# KiCad board test_ledout.kicad_pcb (continued)
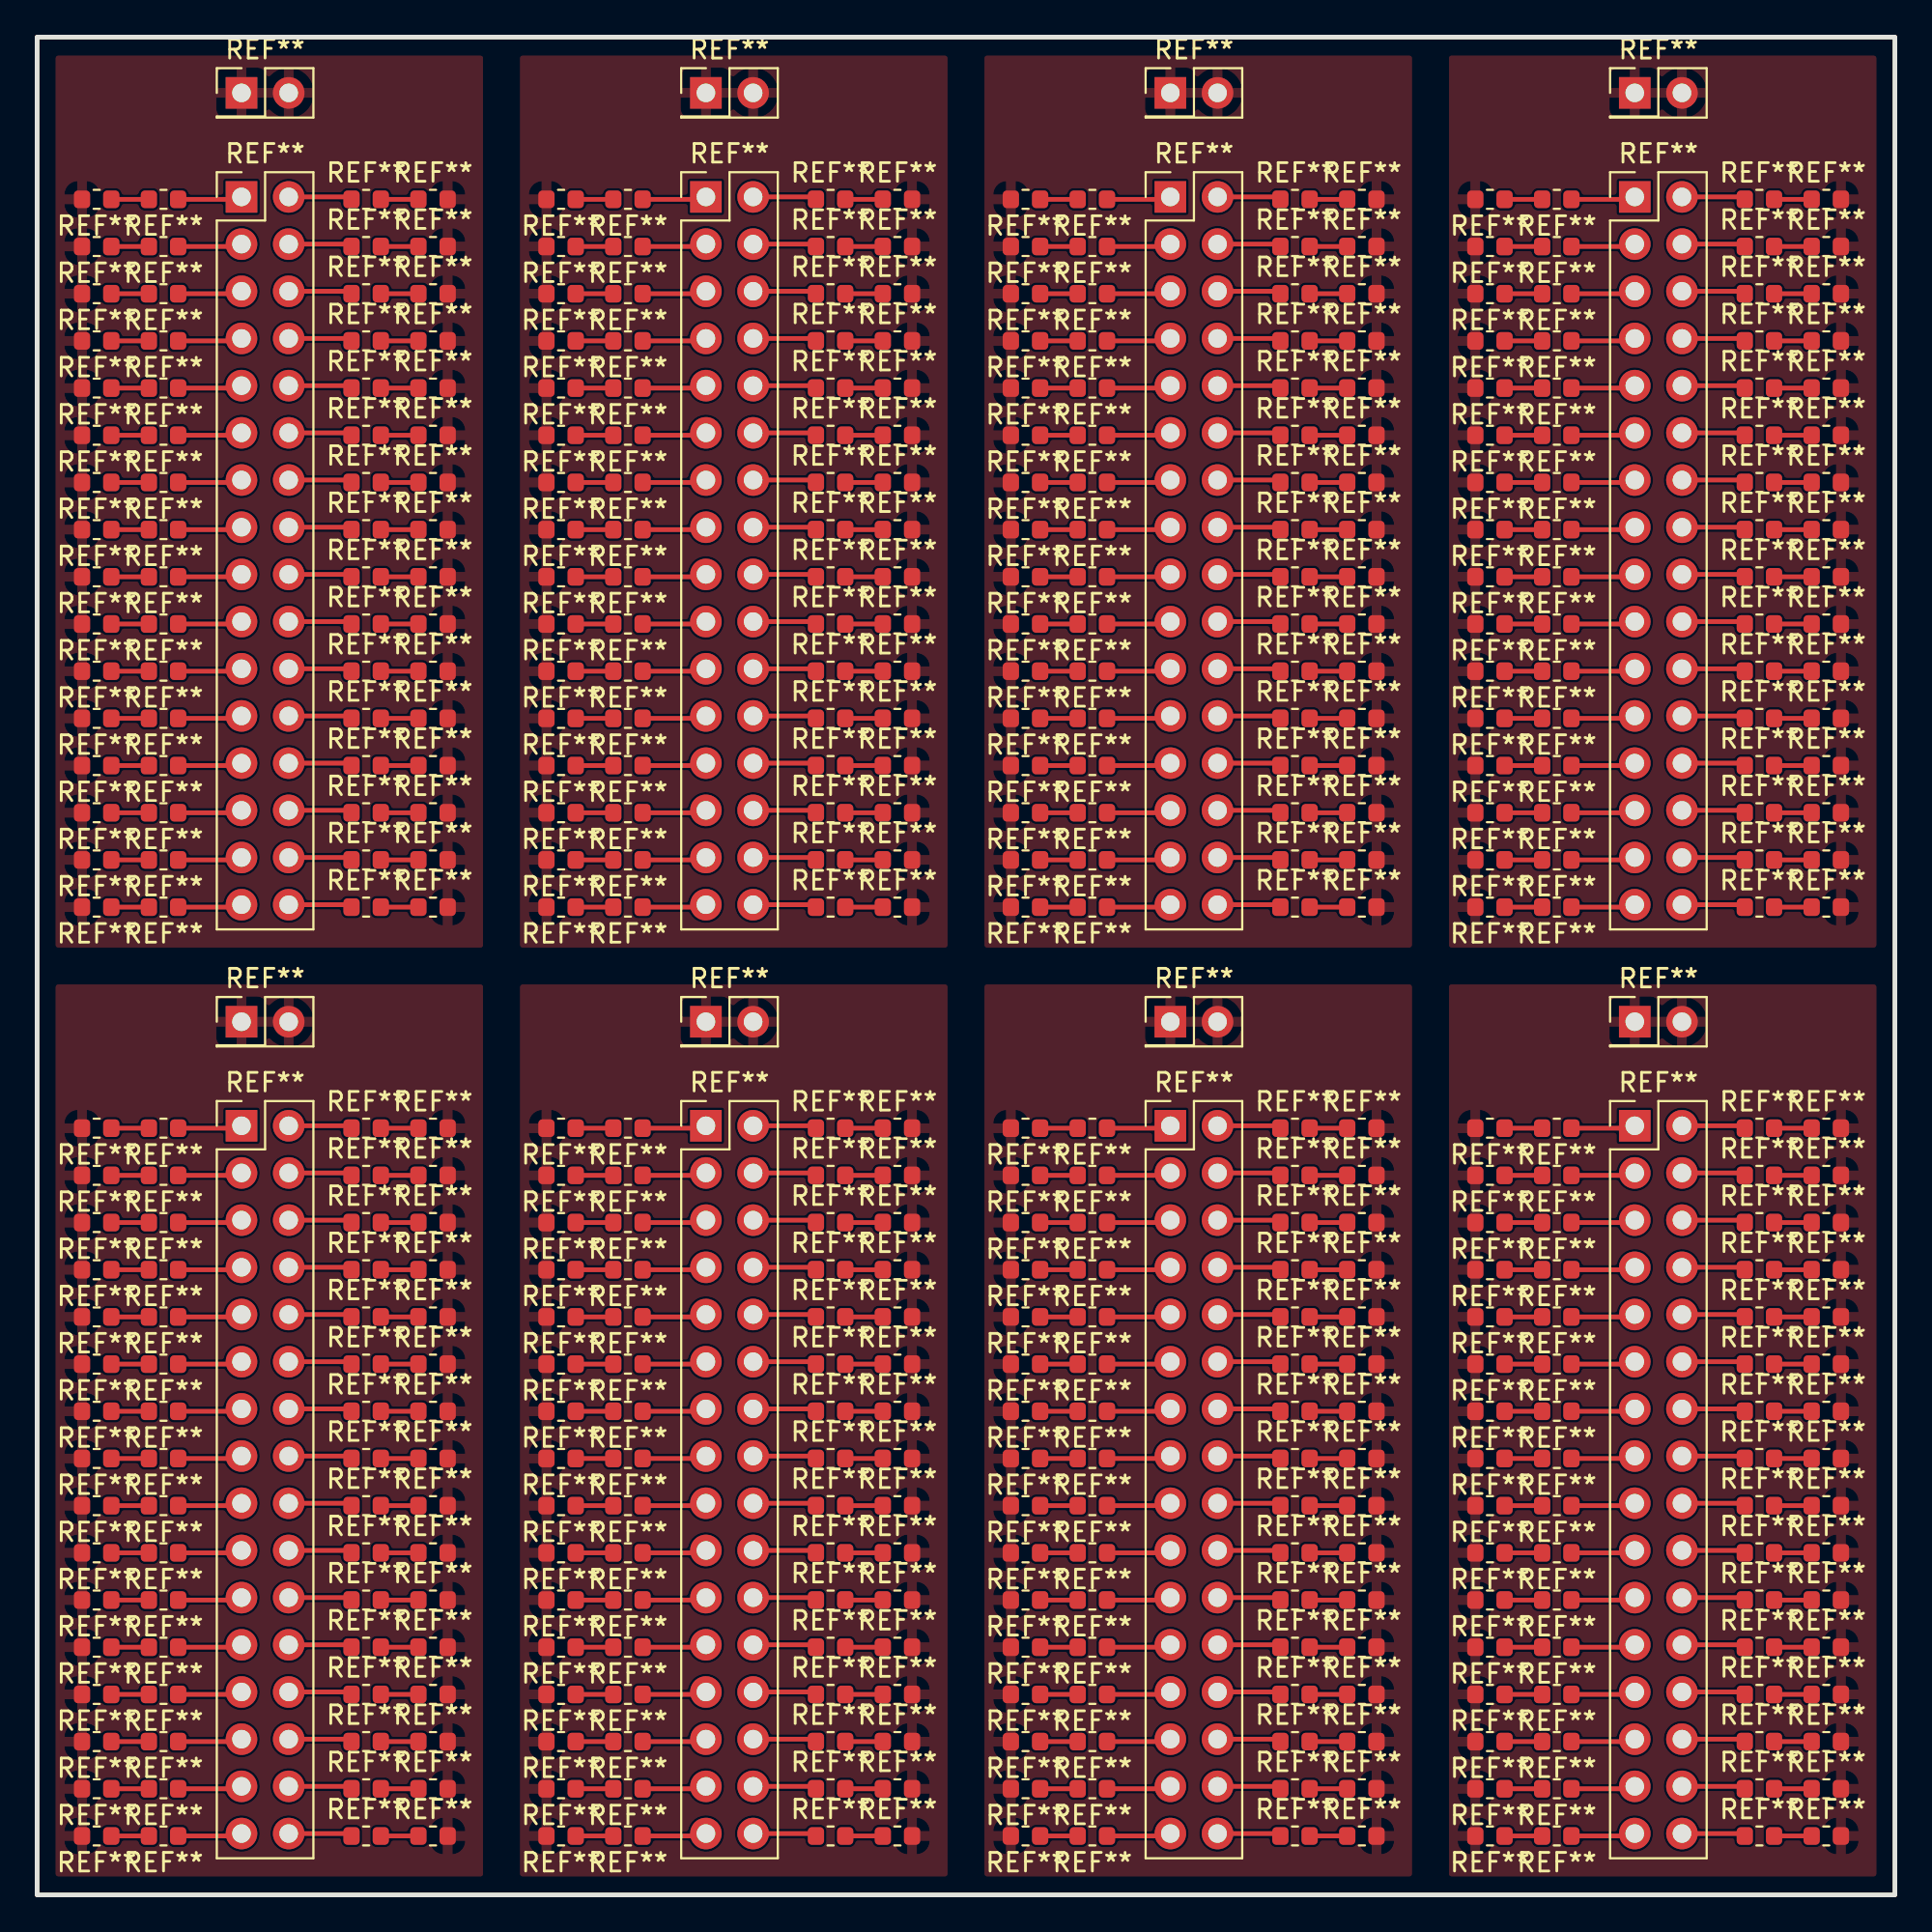
[diagram p0: board, top side]
## Placement (name value [footprint] x y rotation side) (continued)
REF**#391  -  [R_0603_1608Metric]  53.2 10.79 180 top
REF**#392  -  [R_0603_1608Metric]  81.8 20.95 180 top
REF**#393  -  [R_0603_1608Metric]  46.31 41.27 0 top
REF**#394  -  [R_0603_1608Metric]  56.8 31.11 180 top
REF**#395  -  [R_0603_1608Metric]  92.71 63.33 0 top
REF**#396  -  [R_0603_1608Metric]  56.8 28.57 180 top
REF**#397  -  [R_0603_1608Metric]  17.71 5.71 0 top
REF**#398  -  [R_0603_1608Metric]  78.2 5.71 180 top
REF**#399  -  [R_0603_1608Metric]  31.8 55.71 180 top
REF**#400  -  [R_0603_1608Metric]  17.71 73.49 0 top
REF**#401  -  [R_0603_1608Metric]  3.2 55.71 180 top
REF**#402  -  [R_0603_1608Metric]  81.8 36.19 180 top
REF**#403  -  [R_0603_1608Metric]  6.8 10.79 180 top
REF**#404  -  [R_0603_1608Metric]  81.8 26.03 180 top
REF**#405  -  [R_0603_1608Metric]  42.71 81.11 0 top
REF**#406  -  [R_0603_1608Metric]  81.8 76.03 180 top
REF**#407  -  [R_0603_1608Metric]  6.8 83.65 180 top
REF**#408  -  [R_0603_1608Metric]  67.71 63.33 0 top
REF**#409  -  [R_0603_1608Metric]  78.2 60.79 180 top
REF**#410  -  [PinHeader_2x01_P2.54mm_Vertical]  86 97 0 top
REF**#411  -  [R_0603_1608Metric]  46.31 31.11 0 top
REF**#412  -  [R_0603_1608Metric]  6.8 60.79 180 top
REF**#413  -  [R_0603_1608Metric]  71.31 60.79 0 top
REF**#414  -  [R_0603_1608Metric]  71.31 5.71 0 top
REF**#415  -  [R_0603_1608Metric]  28.2 81.11 180 top
REF**#416  -  [R_0603_1608Metric]  42.71 8.25 0 top
REF**#417  -  [R_0603_1608Metric]  21.31 31.11 0 top
REF**#418  -  [R_0603_1608Metric]  92.71 26.03 0 top
REF**#419  -  [PinHeader_2x01_P2.54mm_Vertical]  11 97 0 top
REF**#420  -  [R_0603_1608Metric]  92.71 38.73 0 top
REF**#421  -  [R_0603_1608Metric]  92.71 15.87 0 top
REF**#422  -  [R_0603_1608Metric]  71.31 76.03 0 top
REF**#423  -  [R_0603_1608Metric]  71.31 10.79 0 top
REF**#424  -  [R_0603_1608Metric]  92.71 78.57 0 top
REF**#425  -  [R_0603_1608Metric]  78.2 91.27 180 top
REF**#426  -  [R_0603_1608Metric]  6.8 5.71 180 top
REF**#427  -  [R_0603_1608Metric]  21.31 88.73 0 top
REF**#428  -  [R_0603_1608Metric]  67.71 73.49 0 top
REF**#429  -  [R_0603_1608Metric]  92.71 55.71 0 top
REF**#430  -  [PinHeader_2x01_P2.54mm_Vertical]  61 47 0 top
REF**#431  -  [R_0603_1608Metric]  21.31 76.03 0 top
REF**#432  -  [R_0603_1608Metric]  67.71 3.17 0 top
REF**#433  -  [R_0603_1608Metric]  28.2 3.17 180 top
REF**#434  -  [R_0603_1608Metric]  92.71 28.57 0 top
REF**#435  -  [R_0603_1608Metric]  81.8 23.49 180 top
REF**#436  -  [R_0603_1608Metric]  3.2 83.65 180 top
REF**#437  -  [R_0603_1608Metric]  53.2 3.17 180 top
REF**#438  -  [PinHeader_2x01_P2.54mm_Vertical]  61 97 0 top
REF**#439  -  [R_0603_1608Metric]  17.71 18.41 0 top
REF**#440  -  [R_0603_1608Metric]  46.31 26.03 0 top
REF**#441  -  [R_0603_1608Metric]  21.31 53.17 0 top
REF**#442  -  [R_0603_1608Metric]  28.2 31.11 180 top
REF**#443  -  [R_0603_1608Metric]  21.31 38.73 0 top
REF**#444  -  [R_0603_1608Metric]  28.2 60.79 180 top
REF**#445  -  [R_0603_1608Metric]  3.2 63.33 180 top
REF**#446  -  [R_0603_1608Metric]  21.31 26.03 0 top
REF**#447  -  [R_0603_1608Metric]  71.31 28.57 0 top
REF**#448  -  [R_0603_1608Metric]  46.31 5.71 0 top
REF**#449  -  [R_0603_1608Metric]  78.2 28.57 180 top
REF**#450  -  [R_0603_1608Metric]  56.8 81.11 180 top
REF**#451  -  [R_0603_1608Metric]  81.8 55.71 180 top
REF**#452  -  [R_0603_1608Metric]  67.71 86.19 0 top
REF**#453  -  [R_0603_1608Metric]  21.31 91.27 0 top
REF**#454  -  [R_0603_1608Metric]  71.31 55.71 0 top
REF**#455  -  [R_0603_1608Metric]  42.71 31.11 0 top
REF**#456  -  [R_0603_1608Metric]  6.8 86.19 180 top
REF**#457  -  [R_0603_1608Metric]  3.2 81.11 180 top
REF**#458  -  [R_0603_1608Metric]  56.8 76.03 180 top
REF**#459  -  [R_0603_1608Metric]  96.31 78.57 0 top
REF**#460  -  [R_0603_1608Metric]  56.8 78.57 180 top
REF**#461  -  [R_0603_1608Metric]  81.8 86.19 180 top
REF**#462  -  [R_0603_1608Metric]  67.71 28.57 0 top
REF**#463  -  [R_0603_1608Metric]  28.2 68.41 180 top
REF**#464  -  [R_0603_1608Metric]  3.2 76.03 180 top
REF**#465  -  [R_0603_1608Metric]  46.31 73.49 0 top
REF**#466  -  [R_0603_1608Metric]  67.71 33.65 0 top
REF**#467  -  [R_0603_1608Metric]  96.31 31.11 0 top
REF**#468  -  [R_0603_1608Metric]  31.8 36.19 180 top
REF**#469  -  [R_0603_1608Metric]  92.71 3.17 0 top
REF**#470  -  [R_0603_1608Metric]  81.8 10.79 180 top
REF**#471  -  [R_0603_1608Metric]  31.8 68.41 180 top
REF**#472  -  [R_0603_1608Metric]  21.31 83.65 0 top
REF**#473  -  [R_0603_1608Metric]  17.71 58.25 0 top
REF**#474  -  [PinHeader_2x16_P2.54mm_Vertical]  36 41.4 0 top
REF**#475  -  [R_0603_1608Metric]  31.8 41.27 180 top
REF**#476  -  [R_0603_1608Metric]  81.8 81.11 180 top
REF**#477  -  [R_0603_1608Metric]  71.31 83.65 0 top
REF**#478  -  [R_0603_1608Metric]  56.8 83.65 180 top
REF**#479  -  [R_0603_1608Metric]  53.2 13.33 180 top
REF**#480  -  [R_0603_1608Metric]  56.8 13.33 180 top
REF**#481  -  [R_0603_1608Metric]  81.8 33.65 180 top
REF**#482  -  [R_0603_1608Metric]  17.71 78.57 0 top
REF**#483  -  [R_0603_1608Metric]  78.2 15.87 180 top
REF**#484  -  [R_0603_1608Metric]  6.8 73.49 180 top
REF**#485  -  [R_0603_1608Metric]  96.31 13.33 0 top
REF**#486  -  [R_0603_1608Metric]  6.8 78.57 180 top
REF**#487  -  [R_0603_1608Metric]  46.31 88.73 0 top
REF**#488  -  [R_0603_1608Metric]  3.2 41.27 180 top
REF**#489  -  [R_0603_1608Metric]  31.8 73.49 180 top
REF**#490  -  [R_0603_1608Metric]  67.71 31.11 0 top
REF**#491  -  [R_0603_1608Metric]  78.2 23.49 180 top
REF**#492  -  [R_0603_1608Metric]  3.2 58.25 180 top
REF**#493  -  [R_0603_1608Metric]  53.2 70.95 180 top
REF**#494  -  [R_0603_1608Metric]  3.2 5.71 180 top
REF**#495  -  [R_0603_1608Metric]  28.2 86.19 180 top
REF**#496  -  [R_0603_1608Metric]  78.2 8.25 180 top
REF**#497  -  [R_0603_1608Metric]  71.31 15.87 0 top
REF**#498  -  [R_0603_1608Metric]  67.71 8.25 0 top
REF**#499  -  [R_0603_1608Metric]  78.2 63.33 180 top
REF**#500  -  [R_0603_1608Metric]  92.71 10.79 0 top
REF**#501  -  [R_0603_1608Metric]  78.2 3.17 180 top
REF**#502  -  [R_0603_1608Metric]  3.2 3.17 180 top
REF**#503  -  [R_0603_1608Metric]  96.31 83.65 0 top
REF**#504  -  [R_0603_1608Metric]  92.71 13.33 0 top
REF**#505  -  [R_0603_1608Metric]  6.8 63.33 180 top
REF**#506  -  [PinHeader_2x01_P2.54mm_Vertical]  36 47 0 top
REF**#507  -  [R_0603_1608Metric]  56.8 23.49 180 top
REF**#508  -  [R_0603_1608Metric]  81.8 60.79 180 top
REF**#509  -  [R_0603_1608Metric]  96.31 60.79 0 top
REF**#510  -  [R_0603_1608Metric]  71.31 8.25 0 top
REF**#511  -  [R_0603_1608Metric]  96.31 36.19 0 top
REF**#512  -  [R_0603_1608Metric]  31.8 78.57 180 top
REF**#513  -  [R_0603_1608Metric]  67.71 81.11 0 top
REF**#514  -  [R_0603_1608Metric]  81.8 78.57 180 top
REF**#515  -  [R_0603_1608Metric]  46.31 10.79 0 top
REF**#516  -  [R_0603_1608Metric]  42.71 91.27 0 top
REF**#517  -  [R_0603_1608Metric]  96.31 65.87 0 top
REF**#518  -  [R_0603_1608Metric]  67.71 91.27 0 top
REF**#519  -  [R_0603_1608Metric]  31.8 53.17 180 top
REF**#520  -  [R_0603_1608Metric]  42.71 83.65 0 top
REF**#521  -  [R_0603_1608Metric]  17.71 8.25 0 top
REF**#522  -  [R_0603_1608Metric]  71.31 70.95 0 top
REF**#523  -  [R_0603_1608Metric]  96.31 73.49 0 top
REF**#524  -  [R_0603_1608Metric]  3.2 33.65 180 top
REF**#525  -  [R_0603_1608Metric]  42.71 26.03 0 top
REF**#526  -  [R_0603_1608Metric]  81.8 28.57 180 top
REF**#527  -  [R_0603_1608Metric]  31.8 5.71 180 top
REF**#528  -  [R_0603_1608Metric]  28.2 65.87 180 top

## Footprints (pads in the part's own frame, mm; a bottom-side part is the same pattern mirrored in y, then rotated)
PinHeader_2x01_P2.54mm_Vertical
  rect 1.7x1.7 hole 1: 1(0,0)
  oval 1.7x1.7 hole 1: 2(2.54,0)
PinHeader_2x16_P2.54mm_Vertical
  rect 1.7x1.7 hole 1: 1(0,0)
  oval 1.7x1.7 hole 1: 2(2.54,0) 3(0,-2.54) 4(2.54,-2.54) 5(0,-5.08) 6(2.54,-5.08) 7(0,-7.62) 8(2.54,-7.62) 9(0,-10.16) 10(2.54,-10.16) 11(0,-12.7) 12(2.54,-12.7) 13(0,-15.24) 14(2.54,-15.24) 15(0,-17.78) 16(2.54,-17.78) 17(0,-20.32) 18(2.54,-20.32) 19(0,-22.86) 20(2.54,-22.86) 21(0,-25.4) 22(2.54,-25.4) 23(0,-27.94) 24(2.54,-27.94) 25(0,-30.48) 26(2.54,-30.48) 27(0,-33.02) 28(2.54,-33.02) 29(0,-35.56) 30(2.54,-35.56) 31(0,-38.1) 32(2.54,-38.1)
R_0603_1608Metric
  rrect 0.875x0.95 smd: 1(-0.787,0) 2(0.787,0)

## Nets
gnd: REF**#4.2 REF**#5.2 REF**#8.2 REF**#10.2 REF**#13.2 REF**#15.2 REF**#16.2 REF**#17.2 REF**#20.2 REF**#21.2 REF**#22.2 REF**#25.2 REF**#27.2 REF**#29.2 REF**#30.2 REF**#31.2 REF**#33.2 REF**#35.2 REF**#36.2 REF**#38.2 REF**#39.2 REF**#40.2 REF**#44.2 REF**#46.2 REF**#48.2 REF**#49.2 REF**#51.2 REF**#52.2 REF**#53.2 REF**#55.2 REF**#56.2 REF**#57.2 REF**#58.2 REF**#60.2 REF**#63.2 REF**#65.2 REF**#67.2 REF**#70.2 REF**#74.2 REF**#76.2 REF**#77.1 REF**#77.2 REF**#79.2 REF**#80.2 REF**#84.2 REF**#85.2 REF**#88.2 REF**#89.2 REF**#91.2 REF**#93.2 REF**#94.2 REF**#95.2 REF**#101.2 REF**#102.2 REF**#103.2 REF**#105.2 REF**#106.2 REF**#109.2 REF**#113.2 REF**#115.2 REF**#119.2 REF**#120.2 REF**#122.2 REF**#124.2 REF**#126.2 REF**#128.2 REF**#129.2 REF**#132.2 REF**#137.2 REF**#138.2 REF**#139.2 REF**#141.2 REF**#143.2 REF**#144.2 REF**#145.2 REF**#147.2 REF**#149.2 REF**#150.2 REF**#151.2 REF**#152.2 REF**#156.2 REF**#158.2 REF**#160.2 REF**#162.2 REF**#164.2 REF**#165.2 REF**#168.2 REF**#174.2 REF**#175.2 REF**#176.2 REF**#178.2 REF**#180.2 REF**#182.2 REF**#187.2 REF**#188.2 REF**#192.2 REF**#194.1 REF**#194.2 REF**#195.2 REF**#196.2 REF**#197.2 REF**#199.2 REF**#203.2 REF**#205.2 REF**#209.2 REF**#211.2 REF**#212.2 REF**#219.2 REF**#223.2 REF**#225.2 REF**#226.2 REF**#227.2 REF**#232.2 REF**#234.2 REF**#235.2 REF**#239.2 REF**#242.2 REF**#245.2 REF**#249.2 REF**#250.2 REF**#251.2 REF**#252.2 REF**#256.2 REF**#260.2 REF**#261.2 REF**#262.2 REF**#263.2 REF**#264.2 REF**#265.2 REF**#266.2 REF**#268.2 REF**#269.2 REF**#270.2 REF**#272.2 REF**#273.2 REF**#274.2 REF**#275.1 REF**#275.2 REF**#276.2 REF**#280.2 REF**#281.2 REF**#282.2 REF**#283.2 REF**#284.2 REF**#287.2 REF**#288.2 REF**#292.2 REF**#294.2 REF**#295.2 REF**#296.2 REF**#297.2 REF**#298.2 REF**#300.2 REF**#305.2 REF**#308.2 REF**#309.2 REF**#312.2 REF**#313.2 REF**#315.2 REF**#316.2 REF**#317.2 REF**#322.2 REF**#325.2 REF**#329.2 REF**#330.2 REF**#332.2 REF**#335.2 REF**#336.2 REF**#338.2 REF**#340.2 REF**#342.2 REF**#344.2 REF**#346.2 REF**#347.2 REF**#348.2 REF**#352.2 REF**#353.2 REF**#355.2 REF**#358.2 REF**#359.2 REF**#362.2 REF**#363.2 REF**#364.2 REF**#365.2 REF**#367.2 REF**#368.2 REF**#370.2 REF**#372.2 REF**#373.2 REF**#374.2 REF**#375.2 REF**#376.2 REF**#378.2 REF**#379.2 REF**#380.2 REF**#383.2 REF**#384.2 REF**#385.2 REF**#389.2 REF**#391.2 REF**#393.2 REF**#398.2 REF**#401.2 REF**#409.2 REF**#410.1 REF**#410.2 REF**#411.2 REF**#413.2 REF**#414.2 REF**#415.2 REF**#417.2 REF**#419.1 REF**#419.2 REF**#422.2 REF**#423.2 REF**#425.2 REF**#427.2 REF**#430.1 REF**#430.2 REF**#431.2 REF**#433.2 REF**#436.2 REF**#437.2 REF**#438.1 REF**#438.2 REF**#440.2 REF**#441.2 REF**#442.2 REF**#443.2 REF**#444.2 REF**#445.2 REF**#446.2 REF**#447.2 REF**#448.2 REF**#449.2 REF**#453.2 REF**#454.2 REF**#457.2 REF**#459.2 REF**#463.2 REF**#464.2 REF**#465.2 REF**#467.2 REF**#472.2 REF**#477.2 REF**#479.2 REF**#483.2 REF**#485.2 REF**#487.2 REF**#488.2 REF**#491.2 REF**#492.2 REF**#493.2 REF**#494.2 REF**#495.2 REF**#496.2 REF**#497.2 REF**#499.2 REF**#501.2 REF**#502.2 REF**#503.2 REF**#506.1 REF**#506.2 REF**#509.2 REF**#510.2 REF**#511.2 REF**#515.2 REF**#517.2 REF**#522.2 REF**#523.2 REF**#524.2 REF**#528.2

Pads without a net: REF** 1 2; REF**#2 1 2; REF**#3 1 2; REF**#4 1; REF**#5 1; REF**#6 1 2; REF**#7 1 2; REF**#8 1; REF**#9 1 2; REF**#10 1; REF**#11 1 2 3 4 5 6 7 8 9 10 11 12 13 14 15 16 17 18 19 20 21 22 23 24 25 26 27 28 29 30 31 32; REF**#12 1 2; REF**#13 1; REF**#14 1 2; REF**#15 1; REF**#16 1; REF**#17 1; REF**#18 1 2; REF**#19 1 2; REF**#20 1; REF**#21 1; REF**#22 1; REF**#23 1 2; REF**#24 1 2; REF**#25 1; REF**#26 1 2; REF**#27 1; REF**#28 1 2; REF**#29 1; REF**#30 1; REF**#31 1; REF**#32 1 2; REF**#33 1; REF**#34 1 2; REF**#35 1; REF**#36 1; REF**#37 1 2; REF**#38 1; REF**#39 1; REF**#40 1; REF**#41 1 2; REF**#42 1 2; REF**#43 1 2; REF**#44 1; REF**#45 1 2; REF**#46 1; REF**#47 1 2; REF**#48 1; REF**#49 1; REF**#50 1 2; REF**#51 1; REF**#52 1; REF**#53 1; REF**#54 1 2; REF**#55 1; REF**#56 1; REF**#57 1; REF**#58 1; REF**#59 1 2; REF**#60 1; REF**#61 1 2; REF**#62 1 2; REF**#63 1; REF**#64 1 2; REF**#65 1; REF**#66 1 2; REF**#67 1; REF**#68 1 2; REF**#69 1 2; REF**#70 1; REF**#71 1 2; REF**#72 1 2; REF**#73 1 2; REF**#74 1; REF**#75 1 2; REF**#76 1; REF**#78 1 2; REF**#79 1; REF**#80 1; REF**#81 1 2; REF**#82 1 2; REF**#83 1 2; REF**#84 1; REF**#85 1; REF**#86 1 2; REF**#87 1 2; REF**#88 1; REF**#89 1; REF**#90 1 2; REF**#91 1; REF**#92 1 2 3 4 5 6 7 8 9 10 11 12 13 14 15 16 17 18 19 20 21 22 23 24 25 26 27 28 29 30 31 32; REF**#93 1; REF**#94 1; REF**#95 1; REF**#96 1 2; REF**#97 1 2; REF**#98 1 2; REF**#99 1 2; REF**#100 1 2; REF**#101 1; REF**#102 1; REF**#103 1; REF**#104 1 2; REF**#105 1; REF**#106 1; REF**#107 1 2; REF**#108 1 2; REF**#109 1; REF**#110 1 2; REF**#111 1 2 3 4 5 6 7 8 9 10 11 12 13 14 15 16 17 18 19 20 21 22 23 24 25 26 27 28 29 30 31 32; REF**#112 1 2; REF**#113 1; REF**#114 1 2; REF**#115 1; REF**#116 1 2; REF**#117 1 2; REF**#118 1 2; REF**#119 1; REF**#120 1; REF**#121 1 2; REF**#122 1; REF**#123 1 2; REF**#124 1; REF**#125 1 2; REF**#126 1; REF**#127 1 2; REF**#128 1; REF**#129 1; REF**#130 1 2; REF**#131 1 2; REF**#132 1; REF**#133 1 2; REF**#134 1 2; REF**#135 1 2; REF**#136 1 2; REF**#137 1; REF**#138 1; REF**#139 1; REF**#140 1 2; REF**#141 1; REF**#142 1 2; REF**#143 1; REF**#144 1; REF**#145 1; REF**#146 1 2; REF**#147 1; REF**#148 1 2; REF**#149 1; REF**#150 1; REF**#151 1; REF**#152 1; REF**#153 1 2; REF**#154 1 2; REF**#155 1 2; REF**#156 1; REF**#157 1 2; REF**#158 1; REF**#159 1 2; REF**#160 1; REF**#161 1 2; REF**#162 1; REF**#163 1 2; REF**#164 1; REF**#165 1; REF**#166 1 2 3 4 5 6 7 8 9 10 11 12 13 14 15 16 17 18 19 20 21 22 23 24 25 26 27 28 29 30 31 32; REF**#167 1 2; REF**#168 1; REF**#169 1 2; REF**#170 1 2 3 4 5 6 7 8 9 10 11 12 13 14 15 16 17 18 19 20 21 22 23 24 25 26 27 28 29 30 31 32; REF**#171 1 2; REF**#172 1 2; REF**#173 1 2; REF**#174 1; REF**#175 1; REF**#176 1; REF**#177 1 2; REF**#178 1; REF**#179 1 2; REF**#180 1; REF**#181 1 2; REF**#182 1; REF**#183 1 2; REF**#184 1 2; REF**#185 1 2; REF**#186 1 2; REF**#187 1; REF**#188 1; REF**#189 1 2; REF**#190 1 2; REF**#191 1 2; REF**#192 1; REF**#193 1 2; REF**#195 1; REF**#196 1; REF**#197 1; REF**#198 1 2; REF**#199 1; REF**#200 1 2; REF**#201 1 2; REF**#202 1 2; REF**#203 1; REF**#204 1 2; REF**#205 1; REF**#206 1 2; REF**#207 1 2; REF**#208 1 2; REF**#209 1; REF**#210 1 2; REF**#211 1; REF**#212 1; REF**#213 1 2; REF**#214 1 2; REF**#215 1 2; REF**#216 1 2; REF**#217 1 2; REF**#218 1 2; REF**#219 1; REF**#220 1 2; REF**#221 1 2; REF**#222 1 2; REF**#223 1; REF**#224 1 2; REF**#225 1; REF**#226 1; REF**#227 1; REF**#228 1 2; REF**#229 1 2; REF**#230 1 2; REF**#231 1 2; REF**#232 1; REF**#233 1 2; REF**#234 1; REF**#235 1; REF**#236 1 2; REF**#237 1 2; REF**#238 1 2; REF**#239 1; REF**#240 1 2; REF**#241 1 2; REF**#242 1; REF**#243 1 2; REF**#244 1 2; REF**#245 1; REF**#246 1 2; REF**#247 1 2; REF**#248 1 2; REF**#249 1; REF**#250 1; REF**#251 1; REF**#252 1; REF**#253 1 2; REF**#254 1 2; REF**#255 1 2; REF**#256 1; REF**#257 1 2; REF**#258 1 2; REF**#259 1 2; REF**#260 1; REF**#261 1; REF**#262 1; REF**#263 1; REF**#264 1; REF**#265 1; REF**#266 1; REF**#267 1 2; REF**#268 1; REF**#269 1; REF**#270 1; REF**#271 1 2; REF**#272 1; REF**#273 1; REF**#274 1; REF**#276 1; REF**#277 1 2; REF**#278 1 2; REF**#279 1 2; REF**#280 1; REF**#281 1; REF**#282 1; REF**#283 1; REF**#284 1; REF**#285 1 2; REF**#286 1 2; REF**#287 1; REF**#288 1; REF**#289 1 2; REF**#290 1 2; REF**#291 1 2; REF**#292 1; REF**#293 1 2; REF**#294 1; REF**#295 1; REF**#296 1; REF**#297 1; REF**#298 1; REF**#299 1 2; REF**#300 1; REF**#301 1 2; REF**#302 1 2; REF**#303 1 2; REF**#304 1 2; REF**#305 1; REF**#306 1 2; REF**#307 1 2; REF**#308 1; REF**#309 1; REF**#310 1 2 3 4 5 6 7 8 9 10 11 12 13 14 15 16 17 18 19 20 21 22 23 24 25 26 27 28 29 30 31 32; REF**#311 1 2; REF**#312 1; REF**#313 1; REF**#314 1 2; REF**#315 1; REF**#316 1; REF**#317 1; REF**#318 1 2; REF**#319 1 2; REF**#320 1 2; REF**#321 1 2; REF**#322 1; REF**#323 1 2; REF**#324 1 2; REF**#325 1; REF**#326 1 2; REF**#327 1 2; REF**#328 1 2; REF**#329 1; REF**#330 1; REF**#331 1 2; REF**#332 1; REF**#333 1 2; REF**#334 1 2 3 4 5 6 7 8 9 10 11 12 13 14 15 16 17 18 19 20 21 22 23 24 25 26 27 28 29 30 31 32; REF**#335 1; REF**#336 1; REF**#337 1 2; REF**#338 1; REF**#339 1 2; REF**#340 1; REF**#341 1 2; REF**#342 1; REF**#343 1 2; REF**#344 1; REF**#345 1 2; REF**#346 1; REF**#347 1; REF**#348 1; REF**#349 1 2; REF**#350 1 2; REF**#351 1 2; REF**#352 1; REF**#353 1; REF**#354 1 2; REF**#355 1; REF**#356 1 2; REF**#357 1 2; REF**#358 1; REF**#359 1; REF**#360 1 2; REF**#361 1 2; REF**#362 1; REF**#363 1; REF**#364 1; REF**#365 1; REF**#366 1 2; REF**#367 1; REF**#368 1; REF**#369 1 2; REF**#370 1; REF**#371 1 2; REF**#372 1; REF**#373 1; REF**#374 1; REF**#375 1; REF**#376 1; REF**#377 1 2; REF**#378 1; REF**#379 1; REF**#380 1; REF**#381 1 2; REF**#382 1 2; REF**#383 1; REF**#384 1; REF**#385 1; REF**#386 1 2; REF**#387 1 2; REF**#388 1 2; REF**#389 1; REF**#390 1 2; REF**#391 1; REF**#392 1 2; REF**#393 1; REF**#394 1 2; REF**#395 1 2; REF**#396 1 2; REF**#397 1 2; REF**#398 1; REF**#399 1 2; REF**#400 1 2; REF**#401 1; REF**#402 1 2; REF**#403 1 2; REF**#404 1 2; REF**#405 1 2; REF**#406 1 2; REF**#407 1 2; REF**#408 1 2; REF**#409 1; REF**#411 1; REF**#412 1 2; REF**#413 1; REF**#414 1; REF**#415 1; REF**#416 1 2; REF**#417 1; REF**#418 1 2; REF**#420 1 2; REF**#421 1 2; REF**#422 1; REF**#423 1; REF**#424 1 2; REF**#425 1; REF**#426 1 2; REF**#427 1; REF**#428 1 2; REF**#429 1 2; REF**#431 1; REF**#432 1 2; REF**#433 1; REF**#434 1 2; REF**#435 1 2; REF**#436 1; REF**#437 1; REF**#439 1 2; REF**#440 1; REF**#441 1; REF**#442 1; REF**#443 1; REF**#444 1; REF**#445 1; REF**#446 1; REF**#447 1; REF**#448 1; REF**#449 1; REF**#450 1 2; REF**#451 1 2; REF**#452 1 2; REF**#453 1; REF**#454 1; REF**#455 1 2; REF**#456 1 2; REF**#457 1; REF**#458 1 2; REF**#459 1; REF**#460 1 2; REF**#461 1 2; REF**#462 1 2; REF**#463 1; REF**#464 1; REF**#465 1; REF**#466 1 2; REF**#467 1; REF**#468 1 2; REF**#469 1 2; REF**#470 1 2; REF**#471 1 2; REF**#472 1; REF**#473 1 2; REF**#474 1 2 3 4 5 6 7 8 9 10 11 12 13 14 15 16 17 18 19 20 21 22 23 24 25 26 27 28 29 30 31 32; REF**#475 1 2; REF**#476 1 2; REF**#477 1; REF**#478 1 2; REF**#479 1; REF**#480 1 2; REF**#481 1 2; REF**#482 1 2; REF**#483 1; REF**#484 1 2; REF**#485 1; REF**#486 1 2; REF**#487 1; REF**#488 1; REF**#489 1 2; REF**#490 1 2; REF**#491 1; REF**#492 1; REF**#493 1; REF**#494 1; REF**#495 1; REF**#496 1; REF**#497 1; REF**#498 1 2; REF**#499 1; REF**#500 1 2; REF**#501 1; REF**#502 1; REF**#503 1; REF**#504 1 2; REF**#505 1 2; REF**#507 1 2; REF**#508 1 2; REF**#509 1; REF**#510 1; REF**#511 1; REF**#512 1 2; REF**#513 1 2; REF**#514 1 2; REF**#515 1; REF**#516 1 2; REF**#517 1; REF**#518 1 2; REF**#519 1 2; REF**#520 1 2; REF**#521 1 2; REF**#522 1; REF**#523 1; REF**#524 1; REF**#525 1 2; REF**#526 1 2; REF**#527 1 2; REF**#528 1

## Routing (per net, layer and track width the routed paths; a pad name or vN(x,y) marks a point on that pad's centre or on a via; arc(x,y) is an arc through that point)
gnd: length 18.6
  Top w0.254: 47.2,31.21 REF**#411.2 ; 47.2,38.83 REF**#164.2 ; 22.2,10.89 REF**#156.2 ; 47.2,83.75 REF**#273.2 ; 22.2,36.29 REF**#67.2 ; 97.2,26.13 REF**#21.2 ; 72.2,21.05 REF**#8.2 ; 47.2,5.81 REF**#448.2 ; 47.2,33.75 REF**#53.2 ; 97.2,76.13 REF**#332.2 ; 72.2,26.13 REF**#44.2 ; 97.2,10.89 REF**#365.2 ; 72.2,53.27 REF**#91.2 ; 72.2,65.97 REF**#95.2 ; 97.2,71.05 REF**#84.2 ; 97.2,60.89 REF**#509.2 ; 47.2,3.27 REF**#58.2 ; 97.2,31.21 REF**#467.2 ; 97.2,73.59 REF**#523.2 ; 22.2,78.67 REF**#232.2 ; 22.2,58.35 REF**#168.2 ; 22.2,71.05 REF**#38.2 ; 22.2,3.27 REF**#283.2 ; 97.2,5.81 REF**#40.2 ; 72.2,8.35 REF**#510.2 ; 72.2,81.21 REF**#263.2 ; 47.2,86.29 REF**#359.2 ; 47.2,81.21 REF**#52.2 ; 47.2,13.43 REF**#260.2 ; 72.2,55.81 REF**#454.2 ; 72.2,33.75 REF**#141.2 ; 22.2,5.81 REF**#25.2 ; 72.2,73.59 REF**#298.2 ; 97.2,83.75 REF**#503.2 ; 22.2,83.75 REF**#472.2 ; 72.2,38.83 REF**#56.2 ; 47.2,71.05 REF**#115.2 ; 22.2,18.51 REF**#269.2 ; 97.2,41.37 REF**#94.2 ; 97.2,3.27 REF**#281.2 ; 22.2,28.67 REF**#101.2 ; 22.2,55.81 REF**#225.2 ; 97.2,81.21 REF**#280.2 ; 72.2,28.67 REF**#447.2 ; 47.2,41.37 REF**#393.2 ; 97.2,38.83 REF**#325.2 ; 47.2,18.51 REF**#329.2 ; 72.2,23.59 REF**#105.2 ; 47.2,36.29 REF**#274.2 ; 47.2,73.59 REF**#465.2 ; 47.2,10.89 REF**#515.2 ; 47.2,26.13 REF**#440.2 ; 97.2,63.43 REF**#79.2 ; 72.2,36.29 REF**#370.2 ; 97.2,78.67 REF**#459.2 ; 22.2,13.43 REF**#129.2 ; 47.2,91.37 REF**#212.2 ; 22.2,53.27 REF**#441.2 ; 97.2,18.51 REF**#203.2 ; 72.2,31.21 REF**#195.2 ; 22.2,76.13 REF**#431.2 ; 72.2,86.29 REF**#264.2 ; 72.2,68.51 REF**#22.2 ; 72.2,18.51 REF**#188.2 ; 97.2,21.05 REF**#109.2 ; 47.2,76.13 REF**#374.2 ; 47.2,78.67 REF**#209.2 ; 47.2,8.35 REF**#292.2 ; 72.2,5.81 REF**#414.2 ; 72.2,71.05 REF**#522.2 ; 97.2,8.35 REF**#29.2 ; 22.2,86.29 REF**#342.2 ; 22.2,81.21 REF**#178.2 ; 47.2,23.59 REF**#132.2 ; 47.2,60.89 REF**#145.2 ; 22.2,73.59 REF**#251.2 ; 47.2,63.43 REF**#355.2 ; 22.2,41.37 REF**#335.2 ; 72.2,13.43 REF**#16.2 ; 47.2,68.51 REF**#76.2 ; 97.2,68.51 REF**#211.2 ; 72.2,3.27 REF**#113.2 ; 72.2,83.75 REF**#477.2 ; 72.2,15.97 REF**#497.2 ; 22.2,63.43 REF**#250.2 ; 97.2,15.97 REF**#296.2 ; 72.2,60.89 REF**#413.2 ; 22.2,68.51 REF**#65.2 ; 97.2,36.29 REF**#511.2 ; 72.2,88.83 REF**#268.2 ; 97.2,13.43 REF**#485.2 ; 72.2,78.67 REF**#266.2 ; 97.2,23.59 REF**#265.2 ; 72.2,10.89 REF**#423.2 ; 22.2,15.97 REF**#182.2 ; 72.2,41.37 REF**#223.2 ; 72.2,91.37 REF**#249.2 ; 47.2,58.35 REF**#352.2 ; 47.2,28.67 REF**#239.2 ; 22.2,8.35 REF**#89.2 ; 97.2,65.97 REF**#517.2 ; 22.2,33.75 REF**#5.2 ; 97.2,53.27 REF**#378.2 ; 22.2,65.97 REF**#376.2 ; 47.2,88.83 REF**#487.2 ; 97.2,55.81 REF**#165.2 ; 22.2,91.37 REF**#453.2 ; 72.2,58.35 REF**#124.2 ; 97.2,33.75 REF**#297.2 ; 47.2,21.05 REF**#336.2 ; 72.2,76.13 REF**#422.2 ; 97.2,86.29 REF**#176.2 ; 22.2,88.83 REF**#427.2 ; 22.2,21.05 REF**#205.2 ; 22.2,23.59 REF**#35.2 ; 22.2,38.83 REF**#443.2 ; 97.2,58.35 REF**#46.2 ; 47.2,15.97 REF**#128.2 ; 97.2,91.37 REF**#196.2 ; 22.2,26.13 REF**#446.2 ; 47.2,53.27 REF**#308.2 ; 47.2,55.81 REF**#316.2 ; 72.2,63.43 REF**#312.2 ; 97.2,28.67 REF**#380.2 ; 47.2,65.97 REF**#10.2 ; 97.2,88.83 REF**#284.2 ; 22.2,60.89 REF**#373.2 ; 22.2,31.21 REF**#417.2
(no net): length 1354.6
  Top w0.254: REF**#24.2 REF**#115.1 ; REF**#45.1 35.87,23.49 ; REF**#60.1 REF**#244.2 ; REF**#474.32 41.79,3.3 ; REF**#68.1 10.87,38.73 ; REF**#102.1 REF**#104.2 ; REF**#313.1 REF**#403.2 ; REF**#405.2 REF**#52.1 ; REF**#322.1 REF**#257.2 ; REF**#471.1 35.87,68.41 ; REF**#439.2 REF**#269.1 ; REF**#61.1 35.87,86.19 ; REF**#334.30 91.79,5.84 ; REF**#140.1 85.87,13.33 ; REF**#425.1 REF**#381.2 ; REF**#218.1 35.87,88.73 ; REF**#474.22 41.79,16 ; REF**#181.2 REF**#441.1 ; REF**#334.14 91.79,26.16 ; REF**#30.1 REF**#87.2 ; REF**#390.2 REF**#53.1 ; REF**#235.1 REF**#318.2 ; REF**#474.12 41.79,28.7 ; REF**#480.1 60.87,13.33 ; REF**#348.1 REF**#507.2 ; REF**#499.1 REF**#123.2 ; REF**#334.32 91.79,3.3 ; REF**#310.24 16.79,63.46 ; REF**#82.2 REF**#477.1 ; REF**#377.1 10.87,58.25 ; REF**#310.8 16.79,83.78 ; REF**#69.1 10.87,18.41 ; REF**#127.2 REF**#266.1 ; REF**#415.1 REF**#271.2 ; REF**.2 REF**#124.1 ; REF**#234.1 REF**#131.2 ; REF**#470.1 85.87,10.79 ; REF**#78.1 60.87,53.17 ; REF**#507.1 60.87,23.49 ; REF**#505.1 10.87,63.33 ; REF**#72.2 REF**#211.1 ; REF**#37.1 60.87,15.87 ; REF**#525.2 REF**#440.1 ; REF**#6.2 REF**#335.1 ; REF**#175.1 REF**#14.2 ; REF**#361.2 REF**#46.1 ; REF**#512.1 35.87,78.57 ; REF**#375.1 REF**#96.2 ; REF**#388.1 10.87,31.11 ; REF**#514.1 85.87,78.57 ; REF**#219.1 REF**#456.2 ; REF**#170.28 91.79,58.38 ; REF**#92.4 66.79,38.86 ; REF**#345.1 60.87,41.27 ; REF**#11.30 16.79,5.84 ; REF**#51.1 REF**#324.2 ; REF**#474.14 41.79,26.16 ; REF**#272.1 REF**#218.2 ; REF**#11.26 16.79,10.92 ; REF**#111.28 66.79,58.38 ; REF**#173.2 REF**#16.1 ; REF**#363.1 REF**#285.2 ; REF**#170.2 91.79,91.4 ; REF**#107.2 REF**#342.1 ; REF**#293.2 REF**#316.1 ; REF**#197.1 REF**#392.2 ; REF**#92.20 66.79,18.54 ; REF**#474.24 41.79,13.46 ; REF**#222.1 35.87,91.27 ; REF**#432.2 REF**#113.1 ; REF**#97.1 35.87,31.11 ; REF**#224.2 REF**#209.1 ; REF**#135.2 REF**#91.1 ; REF**#202.2 REF**#465.1 ; REF**#262.1 REF**#356.2 ; REF**#353.1 REF**#333.2 ; REF**#199.1 REF**#201.2 ; REF**#256.1 REF**#343.2 ; REF**#394.1 60.87,31.11 ; REF**#344.1 REF**#404.2 ; REF**#310.18 16.79,71.08 ; REF**#384.1 REF**#486.2 ; REF**#11.28 16.79,8.38 ; REF**#481.1 85.87,33.65 ; REF**#62.1 10.87,20.95 ; REF**#19.1 35.87,65.87 ; REF**#166.20 41.79,68.54 ; REF**#166.28 41.79,58.38 ; REF**#206.2 REF**#283.1 ; REF**#450.1 60.87,81.11 ; REF**#162.1 REF**#321.2 ; REF**#444.1 REF**#43.2 ; REF**#334.12 91.79,28.7 ; REF**#108.1 60.87,10.79 ; REF**#93.1 REF**#402.2 ; REF**#170.30 91.79,55.84 ; REF**#407.1 10.87,83.65 ; REF**#383.1 REF**#450.2 ; REF**#11.22 16.79,16 ; REF**#236.2 REF**#446.1 ; REF**#166.4 41.79,88.86 ; REF**#295.1 REF**#118.2 ; REF**#131.1 85.87,31.11 ; REF**#172.2 REF**#308.1 ; REF**#160.1 REF**#451.2 ; REF**#252.1 REF**#153.2 ; REF**#169.1 60.87,18.41 ; REF**#255.2 REF**#176.1 ; REF**#254.2 REF**#448.1 ; REF**#142.1 10.87,68.41 ; REF**#166.32 41.79,53.3 ; REF**#55.1 REF**#213.2 ; REF**#310.32 16.79,53.3 ; REF**#346.1 REF**#460.2 ; REF**#382.1 85.87,18.41 ; REF**#170.10 91.79,81.24 ; REF**#513.2 REF**#263.1 ; REF**#461.1 85.87,86.19 ; REF**#237.2 REF**#5.1 ; REF**#457.1 REF**#220.2 ; REF**#240.2 REF**#223.1 ; REF**#474.26 41.79,10.92 ; REF**#167.1 10.87,88.73 ; REF**#310.4 16.79,88.86 ; REF**#11.18 16.79,21.08 ; REF**#170.16 91.79,73.62 ; REF**#294.1 REF**#345.2 ; REF**#401.1 REF**#100.2 ; REF**#158.1 REF**#62.2 ; REF**#144.1 REF**#394.2 ; REF**#337.1 85.87,88.73 ; REF**#34.2 REF**#95.1 ; REF**#469.2 REF**#281.1 ; REF**#462.2 REF**#447.1 ; REF**#504.2 REF**#485.1 ; REF**#282.1 REF**#169.2 ; REF**#126.1 REF**#78.2 ; REF**#526.1 85.87,28.57 ; REF**#57.1 REF**#399.2 ; REF**#200.2 REF**#423.1 ; REF**#404.1 85.87,26.03 ; REF**#371.2 REF**#182.1 ; REF**#290.2 REF**#378.1 ; REF**#386.2 REF**#156.1 ; REF**#166.14 41.79,76.16 ; REF**#59.2 REF**#376.1 ; REF**#490.2 REF**#195.1 ; REF**#341.1 10.87,41.27 ; REF**#166.16 41.79,73.62 ; REF**#166.8 41.79,83.78 ; REF**#253.2 REF**#260.1 ; REF**#179.2 REF**#454.1 ; REF**#146.1 60.87,8.25 ; REF**#486.1 10.87,78.57 ; REF**#193.2 REF**#329.1 ; REF**#66.2 REF**#84.1 ; REF**#92.22 66.79,16 ; REF**#496.1 REF**#7.2 ; REF**#157.2 REF**#65.1 ; REF**#104.1 85.87,58.25 ; REF**#436.1 REF**#407.2 ; REF**#170.32 91.79,53.3 ; REF**#86.2 REF**#10.1 ; REF**#528.1 REF**#19.2 ; REF**#33.1 REF**#189.2 ; REF**#474.28 41.79,8.38 ; REF**#261.1 REF**#311.2 ; REF**#13.1 REF**#26.2 ; REF**#70.1 REF**#146.2 ; REF**#391.1 REF**#108.2 ; REF**#11.20 16.79,18.54 ; REF**#171.2 REF**#472.1 ; REF**#111.12 66.79,78.7 ; REF**#207.2 REF**#413.1 ; REF**#231.2 REF**#94.1 ; REF**#392.1 85.87,20.95 ; REF**#117.2 REF**#38.1 ; REF**#11.14 16.79,26.16 ; REF**#327.2 REF**#129.1 ; REF**#15.1 REF**#357.2 ; REF**#310.22 16.79,66 ; REF**#468.1 35.87,36.19 ; REF**#111.20 66.79,68.54 ; REF**#166.22 41.79,66 ; REF**#501.1 REF**#304.2 ; REF**#111.4 66.79,88.86 ; REF**#63.1 REF**#184.2 ; REF**#54.2 REF**#487.1 ; REF**#473.2 REF**#168.1 ; REF**#3.2 REF**#22.1 ; REF**#474.16 41.79,23.62 ; REF**#334.8 91.79,33.78 ; REF**#424.2 REF**#459.1 ; REF**#330.1 REF**#90.2 ; REF**#170.14 91.79,76.16 ; REF**#321.1 60.87,20.95 ; REF**#116.1 10.87,70.95 ; REF**#334.10 91.79,31.24 ; REF**#247.2 REF**#417.1 ; REF**#326.2 REF**#128.1 ; REF**#11.32 16.79,3.3 ; REF**#221.2 REF**#203.1 ; REF**#347.1 REF**#233.2 ; REF**#334.16 91.79,23.62 ; REF**#434.2 REF**#380.1 ; REF**#328.2 REF**#517.1 ; REF**#474.10 41.79,31.24 ; REF**#366.2 REF**#359.1 ; REF**#474.6 41.79,36.32 ; REF**#42.2 REF**#422.1 ; REF**#357.1 60.87,86.19 ; REF**#201.1 35.87,13.33 ; REF**#208.1 85.87,5.71 ; REF**#103.1 REF**#481.2 ; REF**#403.1 10.87,10.79 ; REF**#278.2 REF**#497.1 ; REF**#111.2 66.79,91.4 ; REF**#398.1 REF**#208.2 ; REF**#111.18 66.79,71.08 ; REF**#258.2 REF**#250.1 ; REF**#246.1 85.87,41.27 ; REF**#484.1 10.87,73.49 ; REF**#323.2 REF**#284.1 ; REF**#502.1 REF**#267.2 ; REF**#309.1 REF**#140.2 ; REF**#257.1 35.87,83.65 ; REF**#334.26 91.79,10.92 ; REF**#11.8 16.79,33.78 ; REF**#134.2 REF**#76.1 ; REF**#458.1 60.87,76.03 ; REF**#150.1 REF**#331.2 ; REF**#228.2 REF**#443.1 ; REF**#88.1 REF**#339.2 ; REF**#334.2 91.79,41.4 ; REF**#166.24 41.79,63.46 ; REF**#519.1 35.87,53.17 ; REF**#11.4 16.79,38.86 ; REF**#289.2 REF**#44.1 ; REF**#310.6 16.79,86.32 ; REF**#183.2 REF**#105.1 ; REF**#80.1 REF**#238.2 ; REF**#166.10 41.79,81.24 ; REF**#23.1 60.87,70.95 ; REF**#343.1 10.87,26.03 ; REF**#358.1 REF**#246.2 ; REF**#226.1 REF**#396.2 ; REF**#288.1 REF**#388.2 ; REF**#396.1 60.87,28.57 ; REF**#482.2 REF**#232.1 ; REF**#120.1 REF**#307.2 ; REF**#75.1 60.87,91.27 ; REF**#360.2 REF**#374.1 ; REF**#488.1 REF**#341.2 ; REF**#483.1 REF**#302.2 ; REF**#92.6 66.79,36.32 ; REF**#474.30 41.79,5.84 ; REF**#177.2 REF**#427.1 ; REF**#2.1 85.87,68.41 ; REF**#50.2 REF**#109.1 ; REF**#217.2 REF**#145.1 ; REF**#301.2 REF**#35.1 ; REF**#474.20 41.79,18.54 ; REF**#47.1 60.87,73.49 ; REF**#474.2 41.79,41.4 ; REF**#170.24 91.79,63.46 ; REF**#449.1 REF**#526.2 ; REF**#111.26 66.79,60.92 ; REF**#285.1 10.87,91.27 ; REF**#406.1 85.87,76.03 ; REF**#494.1 REF**#426.2 ; REF**#186.1 10.87,76.03 ; REF**#198.2 REF**#453.1 ; REF**#106.1 REF**#69.2 ; REF**#11.6 16.79,36.32 ; REF**#291.2 REF**#511.1 ; REF**#170.18 91.79,71.08 ; REF**#354.2 REF**#522.1 ; REF**#170.26 91.79,60.92 ; REF**#508.1 85.87,60.79 ; REF**#92.16 66.79,23.62 ; REF**#521.2 REF**#89.1 ; REF**#99.2 REF**#355.1 ; REF**#435.1 85.87,23.49 ; REF**#372.1 REF**#470.2 ; REF**#317.1 REF**#12.2 ; REF**#320.2 REF**#509.1 ; REF**#367.1 REF**#514.2 ; REF**#340.1 REF**#458.2 ; REF**#385.1 REF**#214.2 ; REF**#368.1 REF**#112.2 ; REF**#151.1 REF**#191.2 ; REF**#31.1 REF**#314.2 ; REF**#491.1 REF**#435.2 ; REF**#475.1 35.87,41.27 ; REF**#139.1 REF**#489.2 ; REF**#426.1 10.87,5.71 ; REF**#334.6 91.79,36.32 ; REF**#111.30 66.79,55.84 ; REF**#11.2 16.79,41.4 ; REF**#92.18 66.79,21.08 ; REF**#32.2 REF**#274.1 ; REF**#92.2 66.79,41.4 ; REF**#119.1 REF**#337.2 ; REF**#114.2 REF**#225.1 ; REF**#14.1 60.87,26.03 ; REF**#442.1 REF**#97.2 ; REF**#397.2 REF**#25.1 ; REF**#138.1 REF**#2.2 ; REF**#161.2 REF**#265.1 ; REF**#421.2 REF**#296.1 ; REF**#170.12 91.79,78.7 ; REF**#71.1 35.87,8.25 ; REF**#520.2 REF**#273.1 ; REF**#110.2 REF**#370.1 ; REF**#230.2 REF**#297.1 ; REF**#387.2 REF**#352.1 ; REF**#276.1 REF**#406.2 ; REF**#130.2 REF**#431.1 ; REF**#474.8 41.79,33.78 ; REF**#216.1 60.87,3.17 ; REF**#428.2 REF**#298.1 ; REF**#362.1 REF**#75.2 ; REF**#220.1 10.87,81.11 ; REF**#152.1 REF**#210.2 ; REF**#155.1 35.87,3.17 ; REF**#90.1 60.87,63.33 ; REF**#244.1 85.87,65.87 ; REF**#412.1 10.87,60.79 ; REF**#147.1 REF**#512.2 ; REF**#238.1 35.87,10.79 ; REF**#476.1 85.87,81.11 ; REF**#187.1 REF**#47.2 ; REF**#300.1 REF**#142.2 ; REF**#451.1 85.87,55.71 ; REF**#43.1 35.87,60.79 ; REF**#153.1 85.87,38.73 ; REF**#73.1 60.87,33.65 ; REF**#149.1 REF**#116.2 ; REF**#489.1 35.87,73.49 ; REF**#395.2 REF**#79.1 ; REF**#464.1 REF**#186.2 ; REF**#318.1 60.87,88.73 ; REF**#11.16 16.79,23.62 ; REF**#351.2 REF**#132.1 ; REF**#334.20 91.79,18.54 ; REF**#500.2 REF**#365.1 ; REF**#27.1 REF**#37.2 ; REF**#381.1 85.87,91.27 ; REF**#17.1 REF**#476.2 ; REF**#310.12 16.79,78.7 ; REF**#85.1 REF**#478.2 ; REF**#241.2 REF**#205.1 ; REF**#111.8 66.79,83.78 ; REF**#166.18 41.79,71.08 ; REF**#41.2 REF**#332.1 ; REF**#478.1 60.87,83.65 ; REF**#92.28 66.79,8.38 ; REF**#215.2 REF**#29.1 ; REF**#111.24 66.79,63.46 ; REF**#315.1 REF**#136.2 ; REF**#349.1 35.87,26.03 ; REF**#310.16 16.79,73.62 ; REF**#48.1 REF**#277.2 ; REF**#389.1 REF**#81.2 ; REF**#92.30 66.79,5.84 ; REF**#445.1 REF**#505.2 ; REF**#189.1 35.87,18.41 ; REF**#92.26 66.79,10.92 ; REF**#350.1 10.87,23.49 ; REF**#452.2 REF**#264.1 ; REF**#369.1 85.87,53.17 ; REF**#111.10 66.79,81.24 ; REF**#98.1 35.87,58.25 ; REF**#118.1 35.87,76.03 ; REF**#399.1 35.87,55.71 ; REF**#408.2 REF**#312.1 ; REF**#518.2 REF**#249.1 ; REF**#64.1 60.87,58.25 ; REF**#111.16 66.79,73.62 ; REF**#136.1 10.87,36.19 ; REF**#170.4 91.79,88.86 ; REF**#303.2 REF**#40.1 ; REF**#267.1 10.87,3.17 ; REF**#527.1 35.87,5.71 ; REF**#166.26 41.79,60.92 ; REF**#11.24 16.79,13.46 ; REF**#310.26 16.79,60.92 ; REF**#133.2 REF**#467.1 ; REF**#334.22 91.79,16 ; REF**#92.32 66.79,3.3 ; REF**#277.1 35.87,38.73 ; REF**#460.1 60.87,78.57 ; REF**#314.1 35.87,15.87 ; REF**#364.1 REF**#475.2 ; REF**#402.1 85.87,36.19 ; REF**#28.2 REF**#67.1 ; REF**#456.1 10.87,86.19 ; REF**#492.1 REF**#377.2 ; REF**#242.1 REF**#71.2 ; REF**#112.1 10.87,28.57 ; REF**#495.1 REF**#61.2 ; REF**#409.1 REF**#508.2 ; REF**#20.1 REF**#382.2 ; REF**#92.10 66.79,31.24 ; REF**#287.1 REF**#259.2 ; REF**#170.22 91.79,66 ; REF**#286.2 REF**#523.1 ; REF**#474.4 41.79,38.86 ; REF**#310.2 16.79,91.4 ; REF**#279.2 REF**#188.1 ; REF**#334.24 91.79,13.46 ; REF**#420.2 REF**#325.1 ; REF**#498.2 REF**#510.1 ; REF**#83.2 REF**#8.1 ; REF**#310.20 16.79,68.54 ; REF**#92.12 66.79,28.7 ; REF**#185.2 REF**#196.1 ; REF**#210.1 85.87,83.65 ; REF**#74.1 REF**#73.2 ; REF**#92.8 66.79,33.78 ; REF**#248.2 REF**#56.1 ; REF**#121.2 REF**#280.1 ; REF**#125.2 REF**#239.1 ; REF**#111.32 66.79,53.3 ; REF**#331.1 35.87,33.65 ; REF**#310.30 16.79,55.84 ; REF**#174.1 REF**#68.2 ; REF**#81.1 60.87,68.41 ; REF**#334.18 91.79,21.08 ; REF**#111.22 66.79,66 ; REF**#9.2 REF**#414.1 ; REF**#166.12 41.79,78.7 ; REF**#192.1 REF**#64.2 ; REF**#111.6 66.79,86.32 ; REF**#429.2 REF**#165.1 ; REF**#310.28 16.79,58.38 ; REF**#493.1 REF**#23.2 ; REF**#229.2 REF**#336.1 ; REF**#304.1 85.87,3.17 ; REF**#270.1 REF**#167.2 ; REF**#137.1 REF**#349.2 ; REF**#334.4 91.79,38.86 ; REF**#26.1 60.87,60.79 ; REF**#11.12 16.79,28.7 ; REF**#418.2 REF**#21.1 ; REF**#148.2 REF**#503.1 ; REF**#474.18 41.79,21.08 ; REF**#36.1 REF**#98.2 ; REF**#92.14 66.79,26.16 ; REF**#159.2 REF**#373.1 ; REF**#122.1 REF**#369.2 ; REF**#190.2 REF**#178.1 ; REF**#466.2 REF**#141.1 ; REF**#18.2 REF**#164.1 ; REF**#433.1 REF**#155.2 ; REF**#87.1 60.87,65.87 ; REF**#416.2 REF**#292.1 ; REF**#123.1 85.87,63.33 ; REF**#111.14 66.79,76.16 ; REF**#356.1 10.87,53.17 ; REF**#143.1 REF**#461.2 ; REF**#7.1 85.87,8.25 ; REF**#524.1 REF**#163.2 ; REF**#333.1 85.87,73.49 ; REF**#166.6 41.79,86.32 ; REF**#479.1 REF**#480.2 ; REF**#310.14 16.79,76.16 ; REF**#163.1 10.87,33.65 ; REF**#214.1 85.87,70.95 ; REF**#184.1 35.87,28.57 ; REF**#12.1 10.87,15.87 ; REF**#180.1 REF**#243.2 ; REF**#39.1 REF**#45.2 ; REF**#11.10 16.79,31.24 ; REF**#271.1 35.87,81.11 ; REF**#516.2 REF**#212.1 ; REF**#307.1 60.87,5.71 ; REF**#233.1 60.87,55.71 ; REF**#166.30 41.79,55.84 ; REF**#379.1 REF**#527.2 ; REF**#400.2 REF**#251.1 ; REF**#170.6 91.79,86.32 ; REF**#463.1 REF**#471.2 ; REF**#204.2 REF**#515.1 ; REF**#166.2 41.79,91.4 ; REF**#299.2 REF**#58.1 ; REF**#213.1 10.87,13.33 ; REF**#334.28 91.79,8.38 ; REF**#455.2 REF**#411.1 ; REF**#259.1 60.87,36.19 ; REF**#306.2 REF**#101.1 ; REF**#310.10 16.79,81.24 ; REF**#311.1 60.87,38.73 ; REF**#100.1 10.87,55.71 ; REF**#319.2 REF**#268.1 ; REF**#170.20 91.79,68.54 ; REF**#96.1 35.87,20.95 ; REF**#170.8 91.79,83.78 ; REF**#191.1 35.87,70.95 ; REF**#245.1 REF**#412.2 ; REF**#302.1 85.87,15.87 ; REF**#92.24 66.79,13.46 ; REF**#437.1 REF**#216.2 ; REF**#4.1 REF**#484.2 ; REF**#338.1 REF**#350.2 ; REF**#227.1 REF**#222.2 ; REF**#339.1 10.87,8.25 ; REF**#324.1 35.87,63.33 ; REF**#305.1 REF**#519.2 ; REF**#243.1 10.87,65.87 ; REF**#49.1 REF**#468.2 ; REF**#154.2 REF**#393.1
